# Altium PCB PCB_15122020_01BC.PcbDoc (part 1 of 9) (continued)
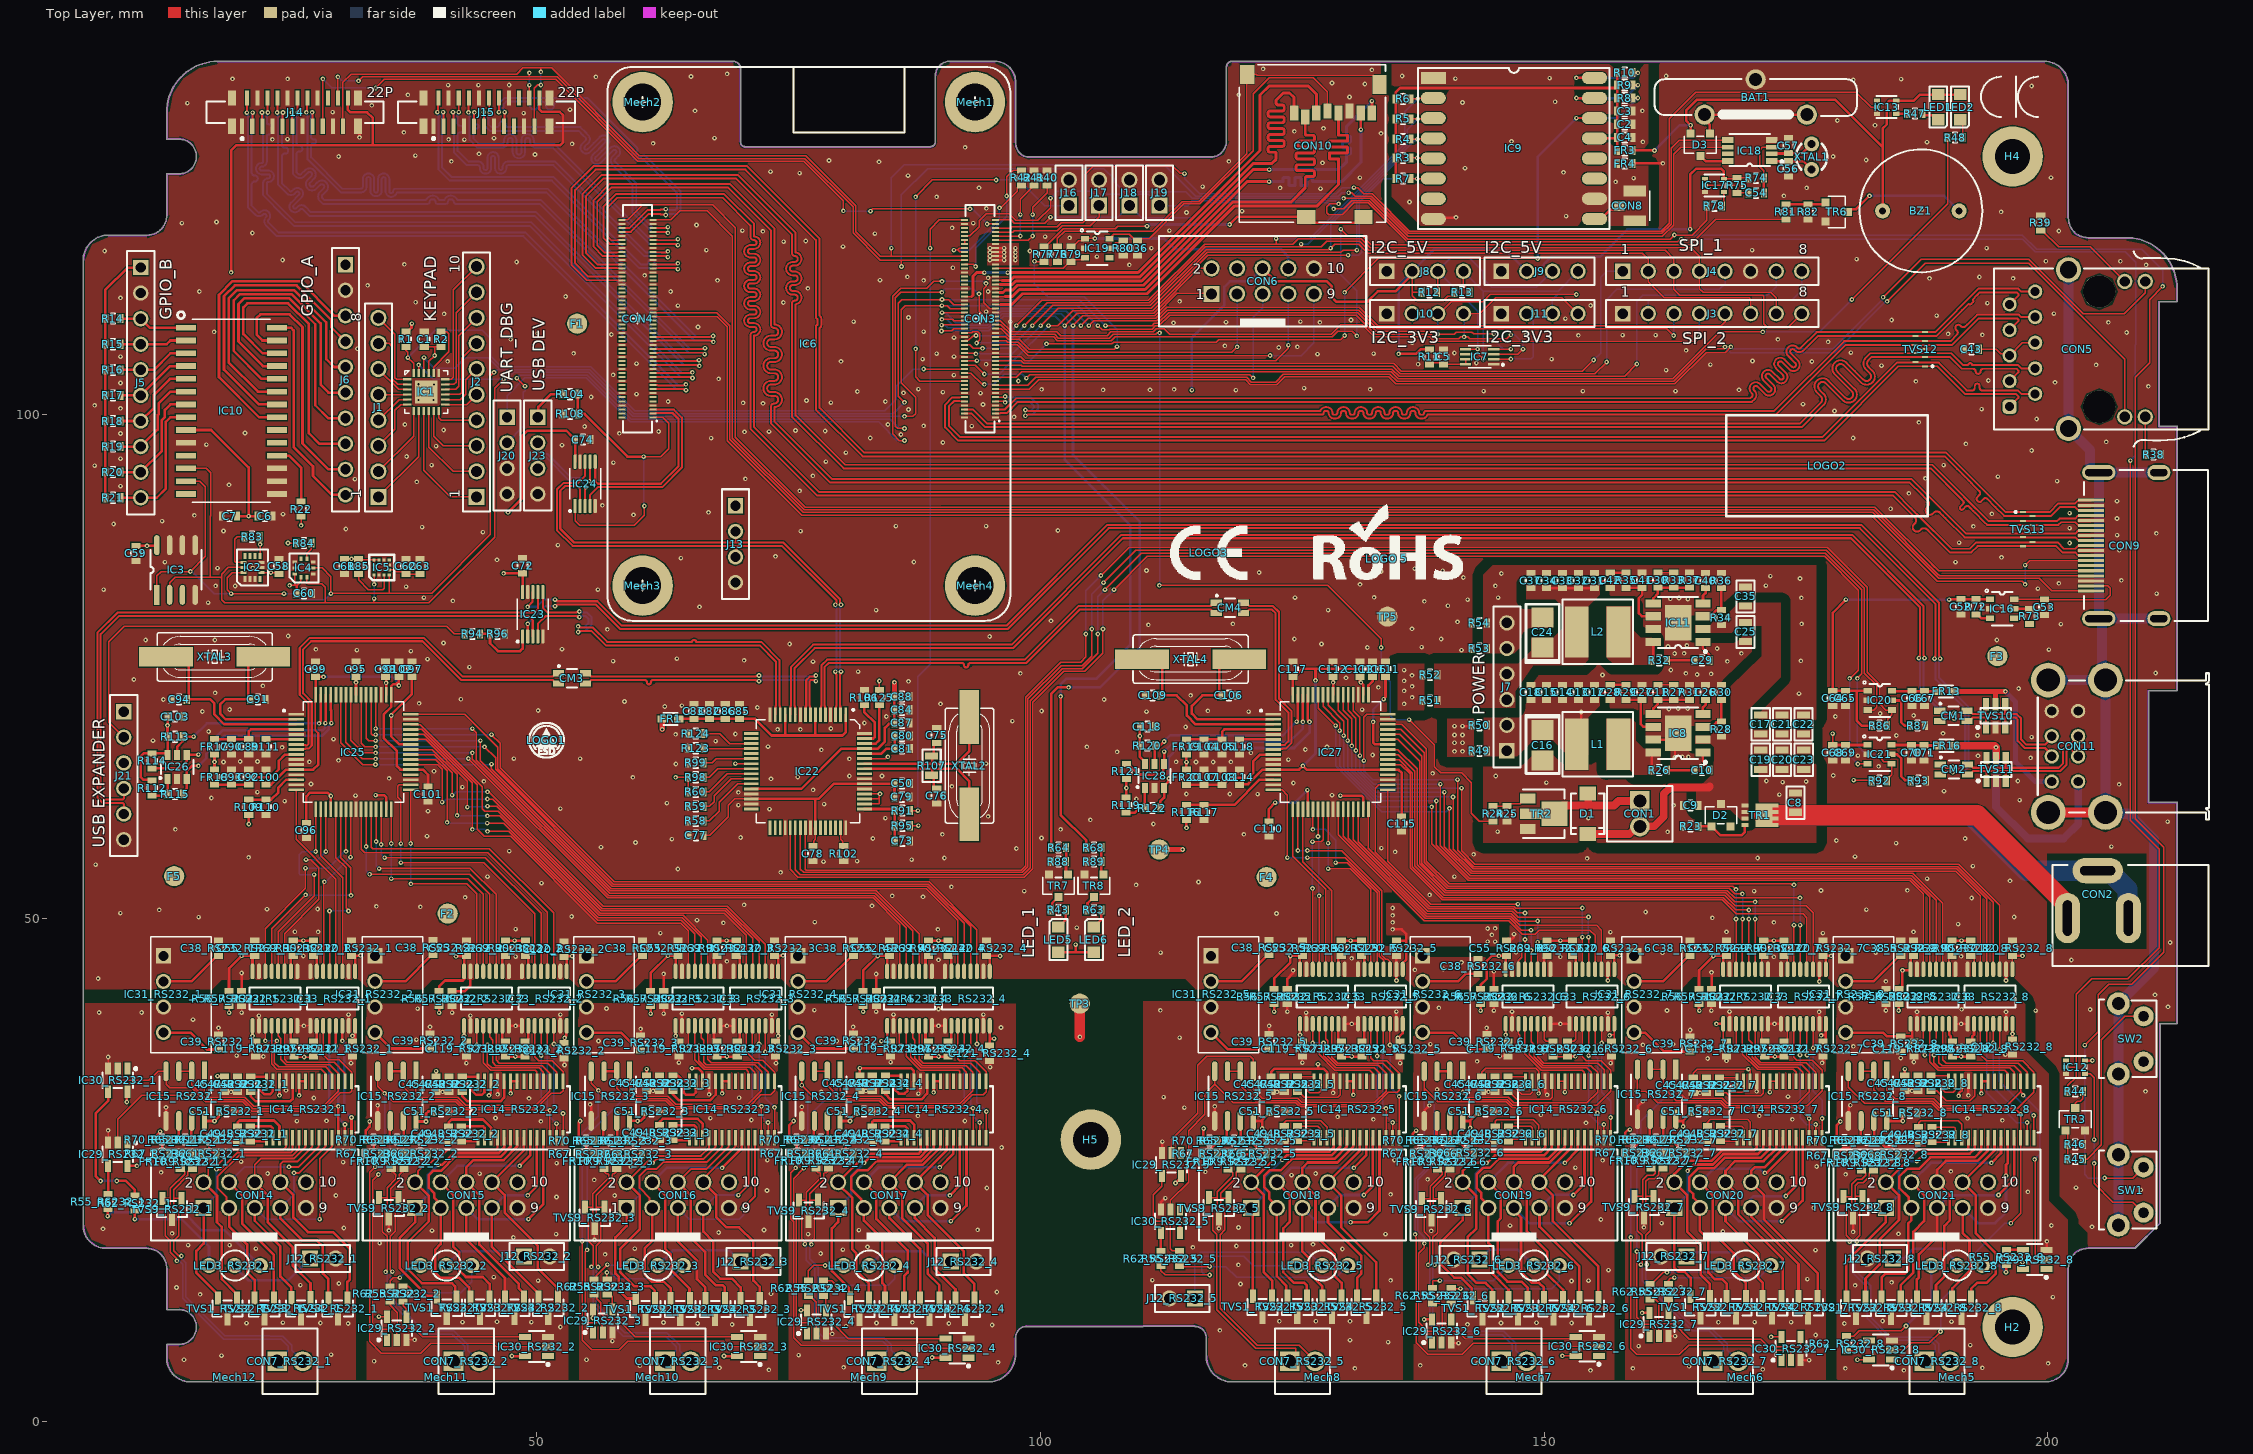
[diagram p0: Top Layer view]
## Components (designator, comment, footprint, x,y, rotation, side; value= is the part's Value field where it differs from the comment) (continued)
C120_RS232_6 "100nF" C0603 156.6,47 r270 top (schematic designator C120)
C120_RS232_7 "100nF" C0603 177.7,47 r270 top (schematic designator C120)
C120_RS232_8 "100nF" C0603 196.488,47 r270 top (schematic designator C120)
C121_RS232_1 "100nF" C0603 31.7,37 r270 top (schematic designator C121)
C121_RS232_2 "100nF" C0603 52.7,36.828 r270 top (schematic designator C121)
C121_RS232_3 "100nF" C0603 73.7,37 r270 top (schematic designator C121)
C121_RS232_4 "100nF" C0603 94.96,36.57 r270 top (schematic designator C121)
C121_RS232_5 "100nF" C0603 135.7,37 r270 top (schematic designator C121)
C121_RS232_6 "100nF" C0603 156.7,37 r270 top (schematic designator C121)
C121_RS232_7 "100nF" C0603 177.7,37 r270 top (schematic designator C121)
C121_RS232_8 "100nF" C0603 196.488,37.2 r270 top (schematic designator C121)
CM1 "744232090" WE-CNSW_1206 190.625,70.075 r0 top
CM2 "744232090" WE-CNSW_1206 190.675,64.75 r0 top
CM3 "744232090" WE-CNSW_1206 53.49,73.8 r0 top
CM4 "744232090" WE-CNSW_1206 118.8,80.8 r0 top
CON1 "691210910002" 691210910002 159.5,60.35 r270 top
CON2 "L-KLS1-DC-005A-2.0" L-KLS1-DC-005A-2.0 215.7,50 r180 top
CON3 "DF40C-100DS-0.4V(51)" HRS_DF40C-100DS-0.4V(51) 94,109.5 r90 top locked
CON4 "DF40C-100DS-0.4V(51)" HRS_DF40C-100DS-0.4V(51) 60,109.5 r90 top locked
CON5 "7499111447" 7499111447 205.3,106.475 r90 top locked
CON6 "61201021621" 61201021621 122.06,113.23 r0 top locked
CON7_RS232_1 "691210910002" 691210910002 25.493,6 r0 top (schematic designator CON7)
CON7_RS232_2 "691210910002" 691210910002 43,6 r0 top (schematic designator CON7)
CON7_RS232_3 "691210910002" 691210910002 64,6 r0 top (schematic designator CON7)
CON7_RS232_4 "691210910002" 691210910002 85,6 r0 top (schematic designator CON7)
CON7_RS232_5 "691210910002" 691210910002 126,6 r0 top (schematic designator CON7)
CON7_RS232_6 "691210910002" 691210910002 147,6 r0 top locked (schematic designator CON7)
CON7_RS232_7 "691210910002" 691210910002 168,6 r0 top (schematic designator CON7)
CON7_RS232_8 "691210910002" 691210910002 189,6 r0 top (schematic designator CON7)
CON8 "1909763-1" TE_1909763-1 159,120.7 r270 top
CON9 "208658-1101" 2086581101 204.3,86.975 r90 top locked
CON10 "693071010811" 693071010811_WRE 127,126.9 r180 top
CON11 "61400826021" 61400826021 207.5,67.05 r90 top locked
CON14 "61201021621" 61201021621 22,22.5 r0 top locked
CON15 "61201021621" 61201021621 43,22.5 r0 top locked
CON16 "61201021621" 61201021621 64,22.5 r0 top locked
CON17 "61201021621" 61201021621 85,22.5 r0 top locked
CON18 "61201021621" 61201021621 126,22.5 r0 top locked
CON19 "61201021621" 61201021621 147,22.5 r0 top locked
CON20 "61201021621" 61201021621 168,22.5 r0 top locked
CON21 "61201021621" 61201021621 189,22.5 r0 top locked
D1 "SS14" SMA/DO-214AC 154.315,60.35 r270 top
D2 "MMBZ5242BLT3G" SOT23 167.549,60.2 r0 top
D3 "BAT54C-7-F" SOT23 165.5,126.767 r180 top
F1 "2mm Fiducial" "2mm Fiducial"#1 54.53,108.584 r0 top
F2 "2mm Fiducial" "2mm Fiducial"#2 41.354,50.699 r0 top
F3 "2mm Fiducial" "2mm Fiducial"#3 195.516,75.577 r0 top
F4 "2mm Fiducial" "2mm Fiducial"#4 122.237,54.353 r0 top
F5 "2mm Fiducial" "2mm Fiducial"#5 14.3,54.1 r0 top
FR1 "300R 100Mhz" "WE-CBF_0603_High Current" 63.284,69.771 r180 top
FR3 "100R 100MHz" FR_0603 158,126.2 r0 top
FR4 "100R 100MHz" FR_0603 158,124.9 r0 top
FR9_RS232_1 "100R 100MHz" FR_0603 15.8,25.827 r270 top (schematic designator FR9)
FR9_RS232_2 "100R 100MHz" FR_0603 36.8,25.859 r270 top (schematic designator FR9)
FR9_RS232_3 "100R 100MHz" FR_0603 57.935,25.854 r270 top (schematic designator FR9)
FR9_RS232_4 "100R 100MHz" FR_0603 78.95,25.903 r270 top (schematic designator FR9)
FR9_RS232_5 "100R 100MHz" FR_0603 119.9,25.8 r270 top (schematic designator FR9)
FR9_RS232_6 "100R 100MHz" FR_0603 140.65,25.8 r270 top (schematic designator FR9)
FR9_RS232_7 "100R 100MHz" FR_0603 161.8,25.9 r270 top (schematic designator FR9)
FR9_RS232_8 "100R 100MHz" FR_0603 182.7,25.7 r270 top (schematic designator FR9)
FR10_RS232_1 "100R 100MHz" FR_0603 14.6,25.827 r90 top (schematic designator FR10)
FR10_RS232_2 "100R 100MHz" FR_0603 35.55,25.859 r90 top (schematic designator FR10)
FR10_RS232_3 "100R 100MHz" FR_0603 56.665,25.854 r90 top (schematic designator FR10)
FR10_RS232_4 "100R 100MHz" FR_0603 77.698,25.903 r90 top (schematic designator FR10)
FR10_RS232_5 "100R 100MHz" FR_0603 118.6,25.8 r90 top (schematic designator FR10)
FR10_RS232_6 "100R 100MHz" FR_0603 139.4,25.8 r90 top (schematic designator FR10)
FR10_RS232_7 "100R 100MHz" FR_0603 160.6,25.9 r90 top (schematic designator FR10)
FR10_RS232_8 "100R 100MHz" FR_0603 181.5,25.7 r90 top (schematic designator FR10)
FR13 "300R 100Mhz" "WE-CBF_0603_High Current" 189.9,72.501 r0 top
FR16 "300R 100Mhz" "WE-CBF_0603_High Current" 189.95,67.1 r0 top
FR17 "100R 100MHz" FR_0603 18,67 r90 top
FR18 "100R 100MHz" FR_0603 18,64 r270 top
FR19 "100R 100MHz" FR_0603 114.48,66.981 r90 top
FR20 "100R 100MHz" FR_0603 114.48,63.983 r270 top
H2 "3.5mm hole" "3.5mm hole"#1 196.5,9.4 r0 top
H4 "3.5mm hole" "3.5mm hole"#1 196.5,125.6 r0 top
H5 "3.5mm hole" "3.5mm hole"#2 105.7,28 r0 top
IC1 "ADP5588ACPZ-R7" CP_24_1 39.025,102.225 r0 top
IC2 "LSM6DSMTR" PQFN50P300X250X86-14N 21.781,84.8 r90 top
IC3 "LM75AIMX/NOPB" SO08 14.181,84.55 r90 top
IC4 "LPS25HBTR" HLGA10_2P5X2P5 26.881,84.75 r90 top
IC5 "LIS2MDLTR" LGA12 34.6,84.8 r90 top
IC6 "Raspbery pi CM4" CM4_BOARD_SIDE 77,107 r270 top locked
IC7 "PCA9306DCUR" SOP50P310X90-8N 143.6,105.725 r180 top
IC8 "AP64501SP-13" SO-8EP 163.3,68.34 r180 top
IC9 "RFM95" RFM95 147,126.4 r0 top
IC10 "MCP23017T-E/SO" SOIC28-W_MC 19.675,100.35 r0 top
IC11 "AP64501SP-13" SO-8EP 163.3,79.325 r180 top
IC12 "74LVC1G07SE-7" SOT353 202.75,35.2 r0 top
IC13 "74LVC1G07SE-7" SOT353 184.004,130.5 r0 top
IC14_RS232_1 "TRS3243IPWR" TSSOP-28 27.38,31 r90 top (schematic designator IC14)
IC14_RS232_2 "TRS3243IPWR" TSSOP-28 48.38,31 r90 top (schematic designator IC14)
IC14_RS232_3 "TRS3243IPWR" TSSOP-28 69.38,31 r90 top (schematic designator IC14)
IC14_RS232_4 "TRS3243IPWR" TSSOP-28 90.38,31 r90 top (schematic designator IC14)
IC14_RS232_5 "TRS3243IPWR" TSSOP-28 131.38,31 r90 top (schematic designator IC14)
IC14_RS232_6 "TRS3243IPWR" TSSOP-28 152.38,31 r90 top (schematic designator IC14)
IC14_RS232_7 "TRS3243IPWR" TSSOP-28 173.38,31 r90 top (schematic designator IC14)
IC14_RS232_8 "TRS3243IPWR" TSSOP-28 194.38,31 r90 top (schematic designator IC14)
IC15_RS232_1 "MAX3485ECSA+T" SO08 15.1,32.325 r270 top (schematic designator IC15)
IC15_RS232_2 "MAX3485ECSA+T" SO08 36.1,32.325 r270 top (schematic designator IC15)
IC15_RS232_3 "MAX3485ECSA+T" SO08 57.3,32.325 r270 top (schematic designator IC15)
IC15_RS232_4 "MAX3485ECSA+T" SO08 78.2,32.325 r270 top (schematic designator IC15)
IC15_RS232_5 "MAX3485ECSA+T" SO08 119.2,32.325 r270 top (schematic designator IC15)
IC15_RS232_6 "MAX3485ECSA+T" SO08 140,32.325 r270 top (schematic designator IC15)
IC15_RS232_7 "MAX3485ECSA+T" SO08 161.168,32.5 r270 top (schematic designator IC15)
IC15_RS232_8 "MAX3485ECSA+T" SO08 182.099,32.325 r270 top (schematic designator IC15)
IC16 "AP22653W6-7" SOT23-6 195.465,80.7 r270 top
IC17 "74LVC1G07SE-7" SOT353 166.9,122.725 r0 top
IC18 "PCF85063ATT/AJ" SOT505-1 170.4,126.179 r180 top
IC19 "AP22653W6-7" SOT23-6 105.638,116.499 r270 top
IC20 "AP22653W6-7" SOT23-6 183.324,71.6 r270 top
IC21 "AP22653W6-7" SOT23-6 183.299,66.25 r270 top
IC22 "USB2504-JT" TQFP64 76.912,64.571 r270 top
IC23 "FSUSB20MUX" MSOP-10N 49.6,80.15 r90 top
IC24 "FSUSB20MUX" MSOP-10N 54.8,93.1 r90 top
IC25 "FT4232HL" QFP50P1200X1200X160-64N 31.8,66.48 r0 top
IC26 "93LC46BT-I/OT" "SOT 23-6" 14.3,65 r0 top
IC27 "FT4232HL" QFP50P1200X1200X160-64N 128.8,66.48 r0 top
IC28 "93LC46BT-I/OT" "SOT 23-6" 111.32,64.1 r0 top
IC29_RS232_1 "SN74LVC1G04DBVR" SOT-23-5 8.4,26.55 r180 top (schematic designator IC29)
IC29_RS232_2 "SN74LVC1G04DBVR" SOT-23-5 36.093,9.271 r0 top (schematic designator IC29)
IC29_RS232_3 "SN74LVC1G04DBVR" SOT-23-5 56.55,10 r0 top (schematic designator IC29)
IC29_RS232_4 "SN74LVC1G04DBVR" SOT-23-5 77.75,9.9 r0 top (schematic designator IC29)
IC29_RS232_5 "SN74LVC1G04DBVR" SOT-23-5 113,25.522 r180 top (schematic designator IC29)
IC29_RS232_6 "SN74LVC1G04DBVR" SOT-23-5 139.829,9 r0 top (schematic designator IC29)
IC29_RS232_7 "SN74LVC1G04DBVR" SOT-23-5 161.4,9.65 r0 top (schematic designator IC29)
IC29_RS232_8 "SN74LVC1G04DBVR" SOT-23-5 198.7,16.1 r90 top (schematic designator IC29)
IC30_RS232_1 "SN74LVC1G04DBVR" SOT-23-5 8.4,33.9 r180 top (schematic designator IC30)
IC30_RS232_2 "SN74LVC1G04DBVR" SOT-23-5 49.98,7.46 r90 top (schematic designator IC30)
IC30_RS232_3 "SN74LVC1G04DBVR" SOT-23-5 71.03,7.46 r90 top (schematic designator IC30)
IC30_RS232_4 "SN74LVC1G04DBVR" SOT-23-5 91.72,7.3 r90 top (schematic designator IC30)
IC30_RS232_5 "SN74LVC1G04DBVR" SOT-23-5 112.9,19.9 r180 top (schematic designator IC30)
IC30_RS232_6 "SN74LVC1G04DBVR" SOT-23-5 154.29,7.48 r90 top (schematic designator IC30)
IC30_RS232_7 "SN74LVC1G04DBVR" SOT-23-5 174.51,7.26 r0 top (schematic designator IC30)
IC30_RS232_8 "SN74LVC1G04DBVR" SOT-23-5 183.4,7.12 r90 top (schematic designator IC30)
IC31_RS232_1 "RFM-0505S" RFM-0505S 14.683,42.4 r270 top locked (schematic designator IC31)
IC31_RS232_2 "RFM-0505S" RFM-0505S 35.683,42.4 r270 top locked (schematic designator IC31)
IC31_RS232_3 "RFM-0505S" RFM-0505S 56.683,42.4 r270 top locked (schematic designator IC31)
IC31_RS232_4 "RFM-0505S" RFM-0505S 77.683,42.4 r270 top locked (schematic designator IC31)
IC31_RS232_5 "RFM-0505S" RFM-0505S 118.683,42.4 r270 top locked (schematic designator IC31)
IC31_RS232_6 "RFM-0505S" RFM-0505S 139.684,42.4 r270 top locked (schematic designator IC31)
IC31_RS232_7 "RFM-0505S" RFM-0505S 160.683,42.4 r270 top locked (schematic designator IC31)
IC31_RS232_8 "RFM-0505S" RFM-0505S 181.683,42.4 r270 top locked (schematic designator IC31)
IC32_RS232_1 "SI8645BA-B-IUR" QSOP16 24,42 r90 top (schematic designator IC32)
IC32_RS232_2 "SI8645BA-B-IUR" QSOP16 45,42 r90 top (schematic designator IC32)
IC32_RS232_3 "SI8645BA-B-IUR" QSOP16 66,42 r90 top (schematic designator IC32)
IC32_RS232_4 "SI8645BA-B-IUR" QSOP16 87,42 r90 top (schematic designator IC32)
IC32_RS232_5 "SI8645BA-B-IUR" QSOP16 127.98,42.2 r90 top (schematic designator IC32)
IC32_RS232_6 "SI8645BA-B-IUR" QSOP16 148.4,42.2 r90 top (schematic designator IC32)
IC32_RS232_7 "SI8645BA-B-IUR" QSOP16 170,42.2 r90 top (schematic designator IC32)
IC32_RS232_8 "SI8645BA-B-IUR" QSOP16 188.6,42.2 r90 top (schematic designator IC32)
IC33_RS232_1 "SI8641BA-C-IUR" QSOP16 29.74,42 r270 top (schematic designator IC33)
IC33_RS232_2 "SI8641BA-C-IUR" QSOP16 50.74,42 r270 top (schematic designator IC33)
IC33_RS232_3 "SI8641BA-C-IUR" QSOP16 71.74,42 r270 top (schematic designator IC33)
IC33_RS232_4 "SI8641BA-C-IUR" QSOP16 92.74,42 r270 top (schematic designator IC33)
IC33_RS232_5 "SI8641BA-C-IUR" QSOP16 133.74,42.2 r270 top (schematic designator IC33)
IC33_RS232_6 "SI8641BA-C-IUR" QSOP16 154.74,42.2 r270 top (schematic designator IC33)
IC33_RS232_7 "SI8641BA-C-IUR" QSOP16 175.74,42.2 r270 top (schematic designator IC33)
IC33_RS232_8 "SI8641BA-C-IUR" QSOP16 194.265,42.2 r270 top (schematic designator IC33)
J1 "61300811121" 61300811121 34.275,100.69 r90 top
J2 "61301011121" 61301011121 44.025,103.23 r90 top
J3 "61300811821" 61300811821 166.69,110 r0 top
J4 "61300811821" 61300811821 166.69,114.2 r0 top
J5 "61301011821" 61301011821 10.675,103.15 r270 top
J6 "61301011821" 61301011821 31,103.43 r270 top
J7 "61300611821" 61300611821 146.3,72.951 r90 top
J8 "61300411821" 61300411821 138.175,114.2 r0 top
J9 "61300411821" 61300411821 149.55,114.2 r0 top
J10 "61300411821" 61300411821 138.175,110 r0 top
J11 "61300411821" 61300411821 149.55,110 r0 top
J12_RS232_1 "61300211121" 61300211121 28.752,16.2 r0 top (schematic designator J12)
J12_RS232_2 "61300211121" 61300211121 49.995,16.4 r0 top (schematic designator J12)
J12_RS232_3 "61300211121" 61300211121 71.5,15.9 r0 top (schematic designator J12)
J12_RS232_4 "61300211121" 61300211121 92.357,15.9 r0 top (schematic designator J12)
J12_RS232_5 "61300211121" 61300211121 114.066,12.246 r180 top (schematic designator J12)
J12_RS232_6 "61300211121" 61300211121 142.3,16.1 r180 top (schematic designator J12)
J12_RS232_7 "61300211121" 61300211121 162.853,16.4 r180 top (schematic designator J12)
J12_RS232_8 "61300211121" 61300211121 183.352,16.2 r180 top (schematic designator J12)
J13 "61300411821" 61300411821 69.72,87.11 r270 top
J14 "687322124422" 687322124422 26,130 r0 top
J15 "687322124422" 687322124422 45,130 r0 top
J16 "61300211121" 61300211121 102.825,122 r90 top
J17 "61300211121" 61300211121 105.825,122 r90 top
J18 "61300211121" 61300211121 108.825,122 r90 top
J19 "61300211121" 61300211121 111.825,122 r90 top
J20 "61300411821" 61300411821 47.05,95.9 r270 top
J21 "61300611821" 61300611821 9,64.13 r270 top
J23 "61300411821" 61300411821 50.1,95.9 r270 top
L1 "SRN6045TA-3R3Y" SRN6045TA 155.3,67.25 r180 top
L2 "SRN6045TA-3R3Y" SRN6045TA 155.3,78.4 r180 top
LED1 "LTST-C171KRKT" 0805_RED 189.125,130.5 r270 top
LED2 "LTST-C171KRKT" 0805_RED 191.3,130.5 r270 top
LED3_RS232_1 "3RG9HC-1" 3RG9HC-1 20,15.5 r180 top locked (schematic designator LED3)
LED3_RS232_2 "3RG9HC-1" 3RG9HC-1 41,15.5 r180 top locked (schematic designator LED3)
LED3_RS232_3 "3RG9HC-1" 3RG9HC-1 62,15.5 r180 top locked (schematic designator LED3)
LED3_RS232_4 "3RG9HC-1" 3RG9HC-1 83,15.5 r180 top locked (schematic designator LED3)
LED3_RS232_5 "3RG9HC-1" 3RG9HC-1 127.98,15.5 r180 top locked (schematic designator LED3)
LED3_RS232_6 "3RG9HC-1" 3RG9HC-1 148.98,15.5 r180 top locked (schematic designator LED3)
LED3_RS232_7 "3RG9HC-1" 3RG9HC-1 169.98,15.5 r180 top locked (schematic designator LED3)
LED3_RS232_8 "3RG9HC-1" 3RG9HC-1 190.98,15.5 r180 top locked (schematic designator LED3)
LED5 "LTST-C171KRKT" 0805_RED 101.783,47.85 r90 top
LED6 "LTST-C171KRKT" 0805_RED 105.3,47.85 r90 top
LOGO1 "ESD" ESD 50.949,67.625 r0 top
LOGO2 "Etiket" ETIKET 178.085,94.896 r180 top
LOGO3 "CE" CE 116.7,86.252 r0 top
"LOGO 5" "ROHS" ROHS 134.375,85.668 r0 top
Mech1 "9774015151R" 9774015151 93.5,131 r0 top
Mech2 "9774015151R" 9774015151 60.5,131 r90 top
Mech3 "9774015151R" 9774015151 60.5,83 r90 top
Mech4 "9774015151R" 9774015151 93.5,83 r90 top
Mech5 "618009221823" 618009221823 191,4.4 r180 top locked
Mech6 "618009221823" 618009221823 170,4.4 r180 top locked
Mech7 "618009221823" 618009221823 149,4.4 r180 top locked
Mech8 "618009221823" 618009221823 128,4.4 r180 top locked
Mech9 "618009221823" 618009221823 83,4.4 r180 top locked
Mech10 "618009221823" 618009221823 62,4.4 r180 top locked
Mech11 "618009221823" 618009221823 41,4.4 r180 top locked
Mech12 "618009221823" 618009221823 20,4.4 r180 top locked
R1 "10K" R0603 37,107.45 r90 top
R2 "10K" R0603 40.5,107.45 r270 top
R3 "10K" R0603 136,125.45 r180 top
R4 "10K" R0603 136,127.325 r180 top
R5 "10K" R0603 136,129.325 r180 top
R6 "10K" R0603 136,131.325 r180 top
R7 "10K" R0603 136,123.4 r180 top
R8 "10K" R0603 158,131.4 r180 top
R9 "10K" R0603 158,132.675 r180 top
R10 "10K" R0603 158,133.925 r180 top
R11 "200K" R0603 138.6,105.7 r90 top
R12 "2K2" R0603 138.6,112.12 r0 top
R13 "2K2" R0603 141.85,112.12 r0 top
R14 "10K" R0603 7.925,109.5 r180 top
R15 "10K" R0603 7.925,106.96 r180 top
R16 "10K" R0603 7.925,104.42 r180 top
R17 "10K" R0603 7.925,101.88 r180 top
R18 "10K" R0603 7.925,99.34 r180 top
R19 "10K" R0603 7.925,96.8 r180 top
R20 "10K" R0603 7.925,94.26 r180 top
R21 "10K" R0603 7.925,91.72 r180 top
R22 "10K" R0603 26.6,90.6 r270 top
R23 "12K" R0603 164.549,59.1 r0 top
R24 "1K" R0603 144.922,60.35 r90 top
R25 "10K" R0603 146.322,60.35 r90 top
R26 "10R" R0603 161.425,64.675 r180 top
R27 "12K" R0603 162.868,72.4 r90 top
R28 "10K" R0603 167.6,68.75 r270 top
R29 "20K" R0603 158.136,72.4 r90 top
R30 "10K" R0603 167.6,72.4 r90 top
R31 "2K2" R0603 164.445,72.4 r270 top
R32 "10R" R0603 161.425,75.577 r180 top
R33 "47K" R0603 162.868,83.55 r90 top
R34 "10K" R0603 167.6,79.827 r270 top
R35 "20K" R0603 158.136,83.525 r90 top
R36 "10K" R0603 167.6,83.5 r90 top
R37 "15K" R0603 164.445,83.55 r270 top
R38 "1K" R0603 210.5,96 r0 top
R39 "1K" R0603 199.3,119 r90 top
R40 "0R" R0603 100.65,123.475 r270 top
R41 "0R" R0603 99.375,123.475 r270 top
R42 "0R" R0603 98.1,123.475 r90 top
R43 "4K7" R0603 101.771,50.8 r0 top
R44 "220R" R0603 202.725,32.795 r0 top
R45 "10K" R0603 202.725,26.075 r0 top
R46 "100K" R0603 202.725,27.525 r0 top
R47 "1K" R0603 186.8,129.85 r180 top
R48 "1K" R0603 190.8,127.475 r0 top
R49 "0R" R0603 143.575,66.601 r180 top
R50 "0R" R0603 143.575,69.141 r180 top
R51 "0R" R0603 138.675,71.608 r180 top
R52 "0R" R0603 138.675,74.148 r180 top
R53 "0R" R0603 143.575,76.761 r180 top
R54 "0R" R0603 143.575,79.301 r180 top
R55_RS232_1 "220R" R0603 7.45,21.85 r90 top (schematic designator R55)
R55_RS232_2 "220R" R0603 36.709,12.684 r270 top (schematic designator R55)
R55_RS232_3 "220R" R0603 56.994,13.375 r270 top (schematic designator R55)
R55_RS232_4 "220R" R0603 78.463,13.251 r270 top (schematic designator R55)
R55_RS232_5 "220R" R0603 113.8,16.2 r90 top (schematic designator R55)
R55_RS232_6 "220R" R0603 140.779,12.5 r270 top (schematic designator R55)
R55_RS232_7 "220R" R0603 162.35,12.9 r270 top (schematic designator R55)
R55_RS232_8 "220R" R0603 195.9,16.3 r90 top (schematic designator R55)
R56_RS232_1 "0R" R0603 19.445,42 r270 top (schematic designator R56)
R56_RS232_2 "0R" R0603 40.3,42 r270 top (schematic designator R56)
R56_RS232_3 "0R" R0603 61.3,42 r270 top (schematic designator R56)
R56_RS232_4 "0R" R0603 82.4,42 r270 top (schematic designator R56)
R56_RS232_5 "0R" R0603 123.2,42.2 r270 top (schematic designator R56)
R56_RS232_6 "0R" R0603 143.7,42.2 r270 top (schematic designator R56)
R56_RS232_7 "0R" R0603 165.375,42.2 r270 top (schematic designator R56)
R56_RS232_8 "0R" R0603 185.227,42.219 r270 top (schematic designator R56)
R57_RS232_1 "0R" R0603 20.7,42 r270 top (schematic designator R57)
R57_RS232_2 "0R" R0603 41.6,42 r270 top (schematic designator R57)
R57_RS232_3 "0R" R0603 62.6,42 r270 top (schematic designator R57)
R57_RS232_4 "0R" R0603 83.7,42 r270 top (schematic designator R57)
R57_RS232_5 "0R" R0603 124.5,42.2 r270 top (schematic designator R57)
R57_RS232_6 "0R" R0603 145.005,42.2 r270 top (schematic designator R57)
R57_RS232_7 "0R" R0603 166.619,42.2 r270 top (schematic designator R57)
R57_RS232_8 "0R" R0603 183.92,42.2 r270 top (schematic designator R57)
R58 "47K" R0603 65.777,59.643 r180 top
R59 "47K" R0603 65.777,61.086 r180 top
R60 "47K" R0603 65.777,62.529 r180 top
R61_RS232_1 "1K" R0603 17.446,28 r0 top (schematic designator R61)
R61_RS232_2 "1K" R0603 38.46,28 r0 top (schematic designator R61)
R61_RS232_3 "1K" R0603 59.7,27.9 r0 top (schematic designator R61)
R61_RS232_4 "1K" R0603 80.679,28 r0 top (schematic designator R61)
R61_RS232_5 "1K" R0603 121.7,27.9 r0 top (schematic designator R61)
R61_RS232_6 "1K" R0603 142.3,27.95 r0 top (schematic designator R61)
R61_RS232_7 "1K" R0603 163.5,28 r0 top (schematic designator R61)
R61_RS232_8 "1K" R0603 184.403,27.95 r0 top (schematic designator R61)
R62_RS232_1 "220R" R0603 10.1,21.7 r270 top (schematic designator R62)
R62_RS232_2 "220R" R0603 35.439,12.684 r90 top (schematic designator R62)
R62_RS232_3 "220R" R0603 55.679,13.386 r90 top (schematic designator R62)
R62_RS232_4 "220R" R0603 76.95,13.251 r90 top (schematic designator R62)
R62_RS232_5 "220R" R0603 111.95,16.2 r270 top (schematic designator R62)
R62_RS232_6 "220R" R0603 138.929,12.5 r90 top (schematic designator R62)
R62_RS232_7 "220R" R0603 160.5,12.9 r90 top (schematic designator R62)
R62_RS232_8 "220R" R0603 180.032,7.75 r90 top (schematic designator R62)
R63 "4K7" R0603 105.3,50.8 r0 top
R64 "10K" R0603 101.8,57 r0 top
R65_RS232_1 "120R" R0603 15.1,28 r0 top (schematic designator R65)
R65_RS232_2 "120R" R0603 36.1,28 r0 top (schematic designator R65)
R65_RS232_3 "120R" R0603 57.3,27.9 r0 top (schematic designator R65)
R65_RS232_4 "120R" R0603 78.2,28 r0 top (schematic designator R65)
R65_RS232_5 "120R" R0603 119.2,27.9 r0 top (schematic designator R65)
R65_RS232_6 "120R" R0603 140,27.95 r0 top (schematic designator R65)
R65_RS232_7 "120R" R0603 161.1,28 r0 top (schematic designator R65)